# Altium PCB GN-1876-HI3519AV100_V1.PCBDOC (part 4 of 6)
Units mil, origin at the board's own origin, x right, y up, seen from the top; angles counter-clockwise.
Board outline 3755 x 2651.95 mil, 4 copper layers (Top Layer, Mid-Layer 1, Mid-Layer 2, Bottom Layer); 463 components, 378 nets, 2062 pads, 1225 vias.
Unrouted connection lines stored in the file: 13.
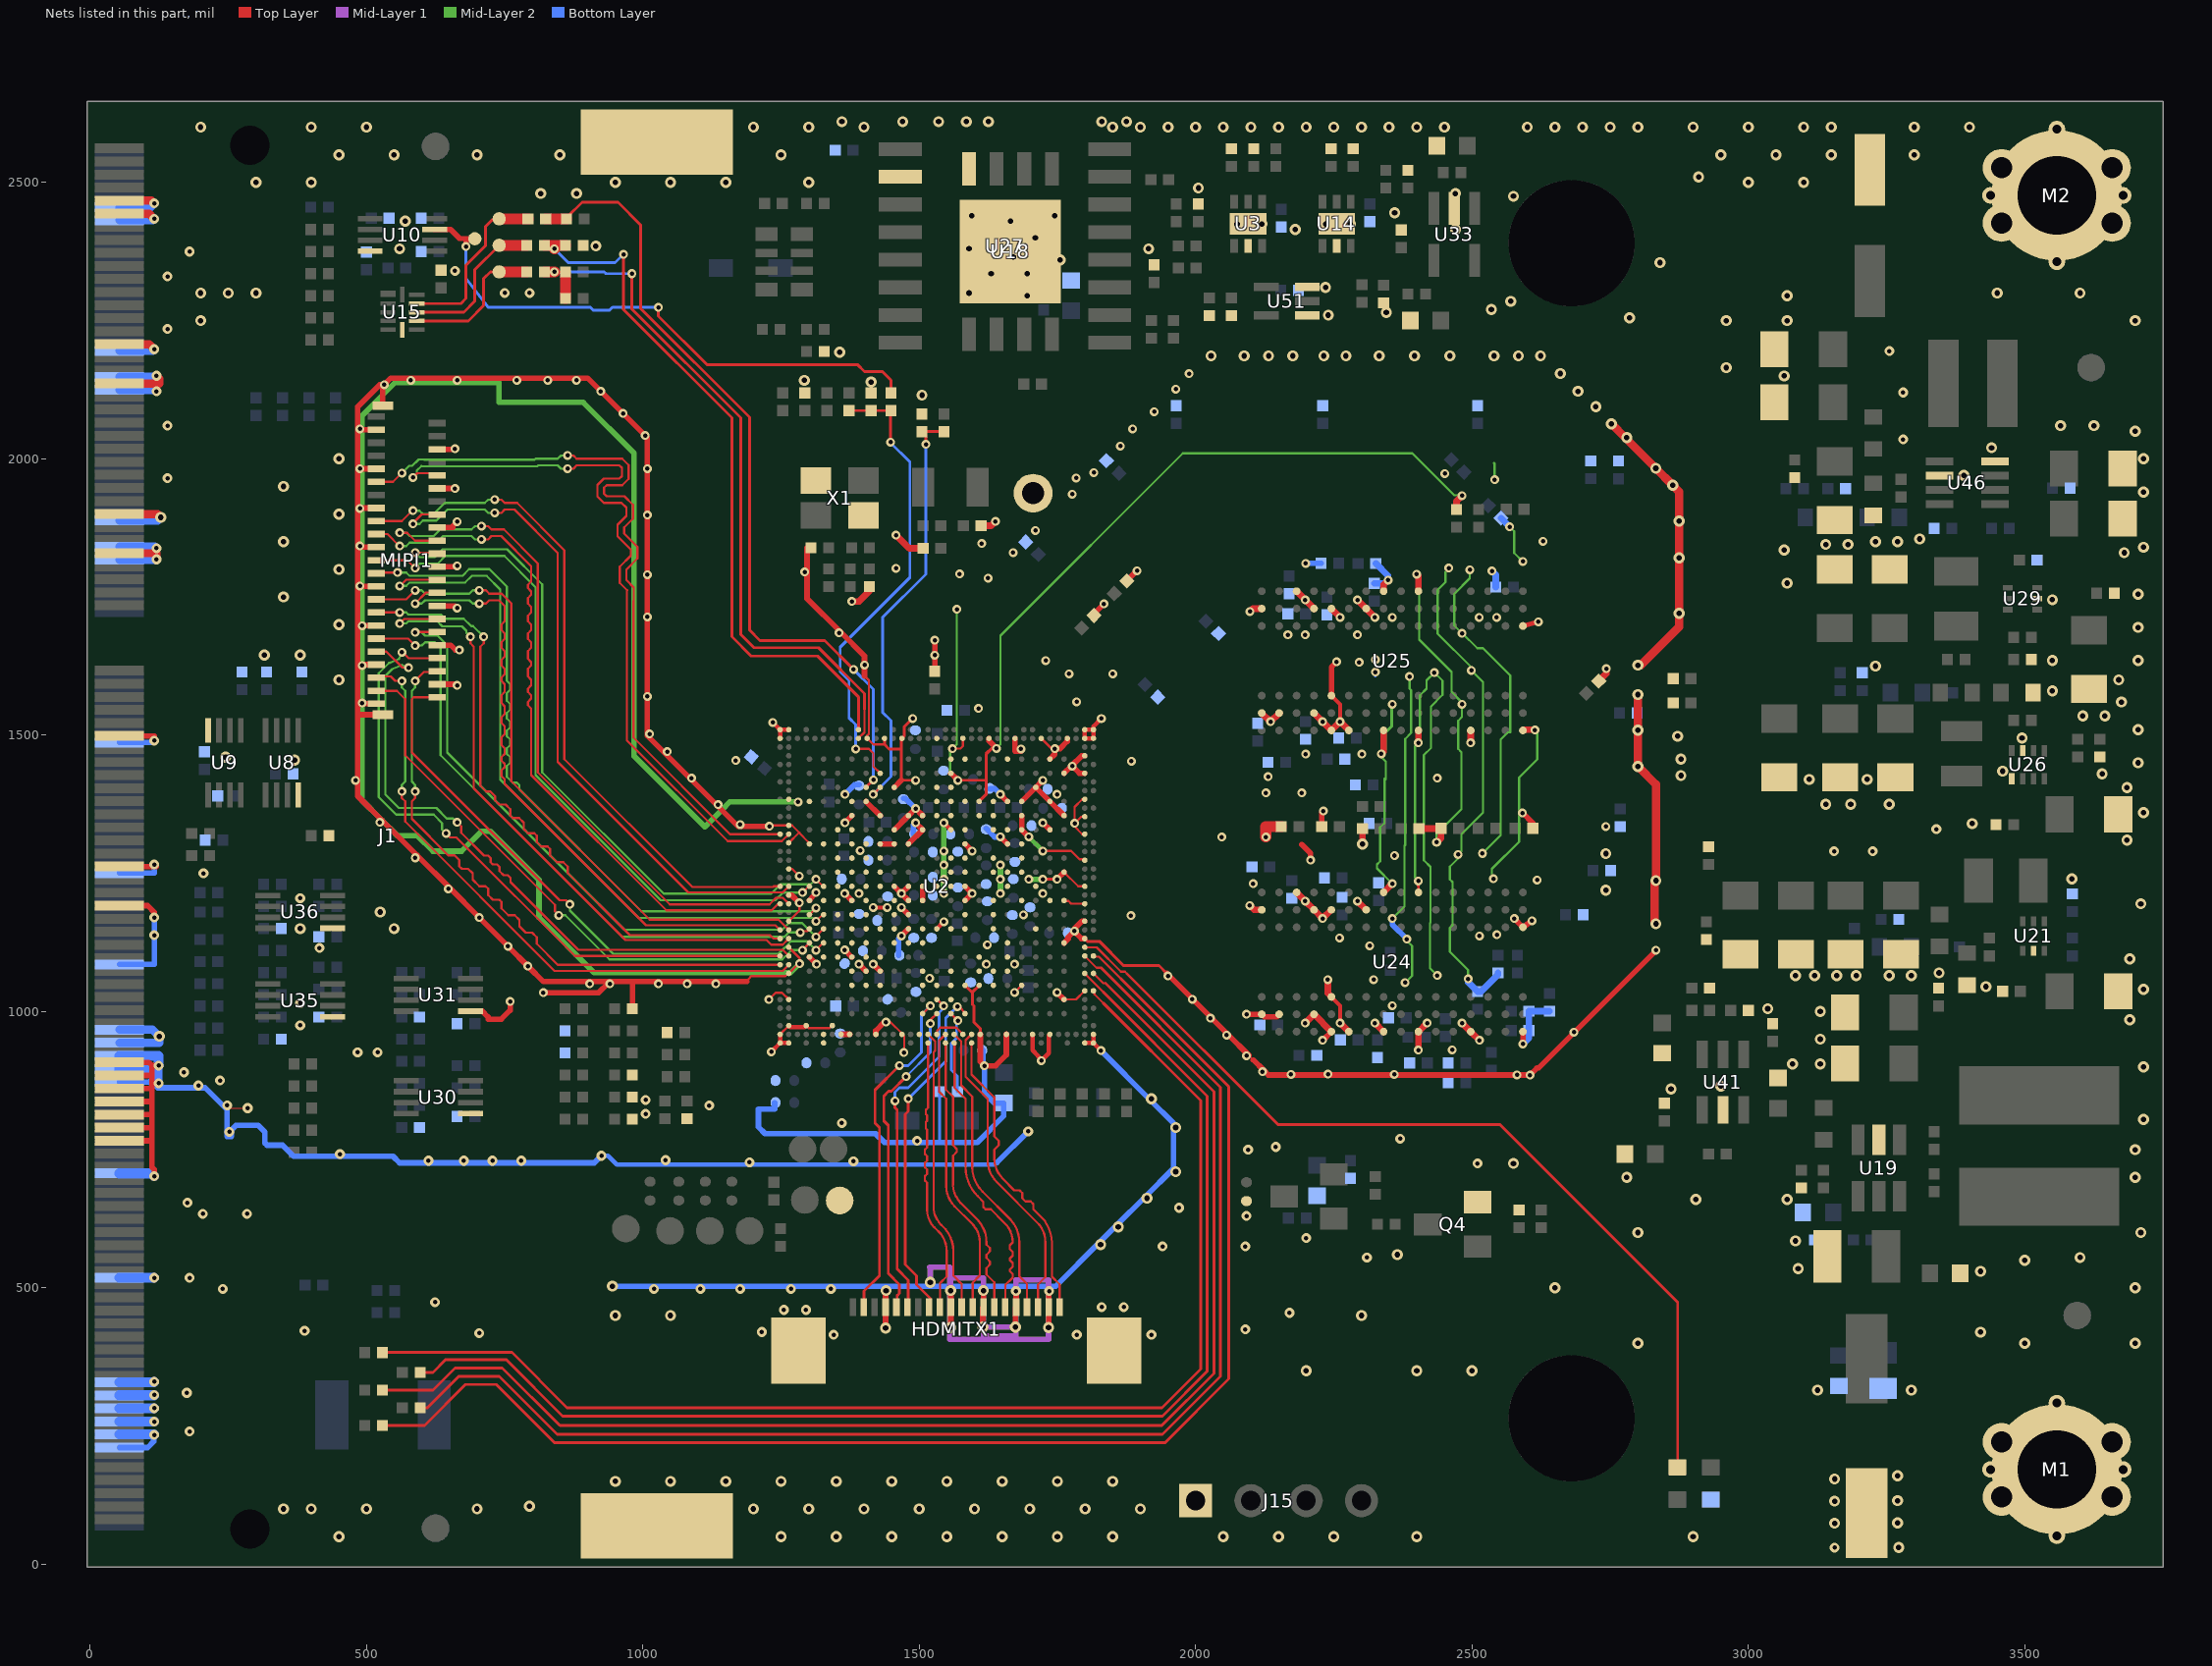
[diagram p6: the nets of this part, all layers, seen from the top]

## Via types
v1: diameter 16, hole 8, Top Layer to Bottom Layer, 733 vias
v2: diameter 20, hole 10, Top Layer to Bottom Layer, 362 vias
v3: diameter 18, hole 8, Top Layer to Bottom Layer, 100 vias
v4: diameter 36, hole 16, Top Layer to Bottom Layer, 30 vias

## Nets (pads, with @x,y where several pads share a name; then routed paths per layer and width w, separated by ;. In a path a pad name is that pad's centre, name@x,y a point inside that pad or via, vN(x,y) a via of type N, cw(c..) or ccw(c..) an arc to the next point about the centre after c; other vN are vias at no path point) (continued)
GND: C2.2 C3.2 C5.2 C6.2 C7.2 C8.2 C10.2 C13.2 C16.2 C17.2 C18.2 C20.2 C21.2 C22.2 C24.2 C27.2 C28.2 C34.2 C35.2 C36.2 C37.2 C38.2 C39.2 C40.2 C41.2 C42.2 C43.2 C44.2 C45.2 C46.2 C47.2 C48.2 C49.2 C50.2 C51.2 C52.2 C53.2 C54.2 C57.2 C58.2 C59.2 C60.2 C61.2 C63.2 C76.2 C77.2 C80.2 C113.2 C150.2 C151.2 C152.2 C153.2 C154.2 C155.2 C160.2 C173.2 C174.2 C175.2 C179.2 C180.2 C181.2 C182.2 C183.2 C184.2 C185.2 C186.2 C187.2 C188.2 C189.2 C190.2 C191.2 C192.2 C193.2 C196.2 C198.2 C199.2 C200.2 C201.2 C204.2 C205.2 C206.2 C207.2 C209.2 C210.2 C211.2 C212.2 C213.2 C214.2 C215.2 C216.2 C217.2 C218.2 C219.2 C223.2 C224.2 C225.2 C227.2 C228.2 C231.2 C232.2 C233.2 C234.2 C236.2 C238.2 C240.2 C243.2 C252.2 C254.2 C255.1 C258.2 C262.2 C270.2 C271.2 C272.2 C273.2 C274.2 C275.2 C276.2 C277.2 C278.2 C279.2 C280.2 C281.2 C282.2 C283.2 C284.2 C285.2 C286.2 C287.2 C288.2 C289.2 C290.2 C294.2 C304.2 C305.2 C306.2 C308.2 C309.2 C311.2 C312.2 C320.2 C323.2 C330.2 C332.2 C333.2 C334.2 C335.2 C339.2 C340.2 C341.2 C342.2 C343.2 C344.2 C347.2 C348.2 C349.2 C351.2 C352.2 C353.2 C354.2 C355.1 C356.1 C362.2 C363.2 C366.2 C387.2 C409.2 C414.2 C416.2 C421.2 C422.2 C424.2 C432.1 C433.1 C448.2 C480.2 DGND1.1 HDMITX1.4 HDMITX1.10 HDMITX1.13 HDMITX1.16 HDMITX1.19 HDMITX1.21 HDMITX1.22 J1.9 J1.10 J1.11 J1.12 J1.31 J1.32 J1.36 J1.37 J1.38 J1.57 J1.58 J1.62 J1.63 J1.64 J1.83 J1.84 J1.103 J1.104 J1.109 J1.118 J1.128 J1.130 J1.132 J1.133 J1.134 J1.135 J1.136 J1.137 J1.139 J1.141 J1.143 J1.145 J1.150 J1.166 J1.182 J1.184 J1.186 J1.188 J1.190 J1.192 J1.207 J1.208 J7.1 J15.1 M1.1 M1.2 M1.3 M1.4 M1.5 M1.6 M1.7 M1.8 M1.9 M2.1 M2.2 M2.3 M2.4 M2.5 M2.6 M2.7 M2.8 M2.9 MIPI1.1 MIPI1.4 MIPI1.7 MIPI1.10 MIPI1.13 MIPI1.16 MIPI1.19 MIPI1.22 MIPI1.25 MIPI1.28 MIPI1.31 MIPI1.34 MIPI1.37 MIPI1.40 MIPI1.43 MIPI1.46 MIPI1.47 Q4.2 R1.2 R6.2 R26.1 R85.2 R117.2 R119.2 R162.2 R164.2 R168.2 R169.2 R177.2 R179.2 R198.1 R201.1 R242.1 R244.2 R246.2 R249.2 R290.2 R293.2 R294.1 R295.1 R301.2 R346.2 R368.2 R369.1 R370.2 R385.2 R386.2 R387.2 R388.2 R389.2 R395.2 R397.2 R400.1 R401.1 R402.1 R403.1 R407.2 R408.2 R411.2 R412.2 R413.2 R414.2 R494.1 R495.2 R517.2 R547.2 U2.1A2 U2.1A5 U2.1A9 U2.1A11 U2.1A14 U2.1A18 U2.1B1 U2.1B4 U2.1B6 U2.1B11 U2.1C3 U2.1C10 U2.1C13 U2.1D4 U2.1D5 U2.1D6 U2.1D7 U2.1D8 U2.1D9 U2.1D11 U2.1D17 U2.1E1 U2.1E4 U2.1E6 U2.1E7 U2.1E9 U2.1E10 U2.1E14 U2.1E15 U2.1E16 U2.1F4 U2.1F5 U2.1F6 U2.1F8 U2.1F9 U2.1F11 U2.1F12 U2.1F13 U2.1F16 U2.1F17 U2.1G4 U2.1G5 U2.1G15 U2.1G16 U2.1G17 U2.1H1 U2.1H4 U2.1H6 U2.1H7 U2.1H8 U2.1H9 U2.1H10 U2.1H11 U2.1H12 U2.1H13 U2.1H17 U2.1J1 U2.1J2 U2.1J3 U2.1J4 U2.1J5 U2.1J6 U2.1J8 U2.1J9 U2.1J10 U2.1J13 U2.1J16 U2.1J17 U2.1J18 U2.1K3 U2.1K4 U2.1K5 U2.1K10 U2.1K13 U2.1K17 U2.1L5 U2.1L6 U2.1L10 U2.1L11 U2.1L13 U2.1L14 U2.1L16 U2.1L17 U2.1M5 U2.1M7 U2.1M10 U2.1M11 U2.1M12 U2.1M13 U2.1M14 U2.1N3 U2.1N6 U2.1N7 U2.1N10 U2.1N11 U2.1N12 U2.1N13 U2.1N14 U2.1P5 U2.1P7 U2.1P8 U2.1P9 U2.1P10 U2.1P13 U2.1P15 U2.1P16 U2.1P17 U2.1R4 U2.1R7 U2.1R8 U2.1R9 U2.1R10 U2.1R11 U2.1R12 U2.1R13 U2.1R14 U2.1R15 U2.1R16 U2.1R17 U2.1T4 U2.1T5 U2.1T6 U2.1T7 U2.1T8 U2.1T9 U2.1T10 U2.1T11 U2.1T12 U2.1T13 U2.1T14 U2.1T15 U2.1T16 U2.1T17 U2.1U6 U2.1U7 U2.1U8 U2.1U9 U2.1U10 U2.1U11 U2.1U12 U2.1U13 U2.1U14 U2.1U15 U2.1V7 U2.1V11 U2.1V15 U2.1W4 U2.1W7 U2.1W11 U2.1W15 U2.A1 U2.A2 U2.A36 U2.A37 U2.AA36 U2.AC2 U2.AC36 U2.AE2 U2.AF36 U2.AG2 U2.AJ36 U2.AK36 U2.AL35 U2.AM36 U2.AM37 U2.AP35 U2.AT1 U2.AT9 U2.AT12 U2.AT14 U2.AT17 U2.AT20 U2.AT23 U2.AT26 U2.AT29 U2.AT32 U2.AT35 U2.AT37 U2.AU1 U2.AU2 U2.AU36 U2.AU37 U2.B1 U2.B2 U2.B4 U2.B6 U2.B9 U2.B11 U2.B13 U2.B16 U2.B19 U2.B21 U2.B23 U2.B25 U2.B31 U2.B37 U2.D2 U2.F36 U2.G2 U2.H36 U2.K2 U2.L36 U2.N2 U2.P36 U2.T2 U2.T36 U2.W2 U2.W36 U3.5 U3.7 U8.4 U9.4 U10.4 U14.5 U14.7 U15.6 U18.4 U18.9 U19.2 U21.2 U24.A2 U24.A8 U24.B2 U24.C9 U24.D2 U24.D8 U24.E1 U24.E3 U24.E8 U24.F1 U24.G8 U24.H1 U24.H9 U24.K1 U24.K9 U24.N1 U24.T1 U24.T7 U25.A2 U25.A8 U25.B2 U25.C9 U25.D2 U25.D8 U25.E1 U25.E3 U25.E8 U25.F1 U25.G8 U25.H1 U25.H9 U25.K1 U25.K9 U25.N1 U25.T1 U25.T7 U26.3 U26.5 U27.10 U29.2 U30.1 U31.1 U33.2 U35.1 U36.1 U41.2 U46.4 U46.6 U51.1 U51.3 X1.2 X1.4 | length 29505.9
  Top Layer w2: v3(248,830.16) 253,825.16 v3(285,825.16) ; v1(648,1222.16) 650.16,1222.16 v1@651.08,1223.08 ; v1@703.08,1171.08 v1(704,1170.16) ; v1(792,1082.16) v1@793.08,1081.08 ; v1(2092,920.16) 2096.7,920.16 2104.41,912.45
  Top Layer w4: 1188,1054.16 1196,1064 1257.11,1064 U2.AT29@1263.97,1069.02 1281.69,1086.74 v1(1283.68,1086.74) 1283.68,1096.55 U2.AT26@1263.97,1116.26 ; v1(1228,1021.9) 1239.99,1033.89 1251.86,1033.89 U2.AT32@1263.97,1021.78 ; v1(1229,1335.16) 1230.58,1336.74 U2.AT12@1263.97,1336.74 1270,1336.74 1283.25,1323.49 1282.62,1323.49 ; U2.AU36@1248.23,958.78 U2.AT35@1263.97,974.53 ; U2.AT23@1263.97,1163.51 1263.97,1163.69 1283.1,1182.82 v1(1283.1,1196.7) ; U2.AT17@1263.97,1258 1270.11,1258 1282.62,1245.48 v1(1283,1245) ; U2.AT14@1263.97,1305.24 1282.22,1323.49 1282.62,1323.49 ; U2.AP35@1295.47,974.53 1300.2,969.8 1337.98,969.8 U2.AL35@1342.71,974.53 ; U2.1W7@1301.38,1303.27 1299.41,1305.24 1299.41,1306.69 1282.62,1323.49 ; 1401,1607.16 1409,1599.16 1409,1502.45 1405.71,1499.16 U2.AG2@1405.71,1494.22 1416.77,1483.16 1437.2,1483.16 ; v1(1439.76,980.83) 1448.07,980.83 1468.7,960.2 U2.AC36@1468.7,958.78 1472.67,954.81 1472.67,926.27 v1(1472,925.6) ; U2.W36@1531.69,958.78 1532.45,959.54 1532.45,965.16 1538,970.71 1567,970.71 U2.T36@1578.93,958.78 ; v1(1560.14,1475.66) 1574.59,1475.66 1578.93,1480 U2.T2@1578.93,1494.22 ; v1(1672.44,1034.57) U2.1D17@1685.23,1047.37 ; U2.G2@1720.67,1494.22 1739.23,1475.66 v1(1745.14,1475.66) ; v1(1723.62,1290.46) 1775,1290.46 1790,1275.46 1797.69,1275.46 U2.B16@1799.41,1273.74 ; U2.1A18@1762,1021.78 1783.67,1021.78 U2.B31@1799.41,1037.52 ; U2.1A11@1762,1200.91 1762.91,1200 1770,1200 1775,1195 U2.B21@1799.41,1195 ; U2.1A9@1762,1252.09 1787.59,1226.5 U2.B19@1799.41,1226.5 ; U2.B13@1799.41,1320.99 1795,1320.99 1781.1,1334.89 v1(1781.1,1340.7) ; U2.B11@1799.41,1352.48 1792.88,1352.48 v1(1781.1,1340.7) ; U2.B9@1799.41,1383.98 1795,1383.98 1781.1,1370.08 v1(1781.1,1340.7)
  Top Layer w5: 1467.71,1418.42 v1(1493.31,1418.42) ; v1(1570.07,1418.43) 1620.83,1418.43 1621.1,1418.7 ; v1(1723.61,1239.29) v1(1749.21,1239.3)
  Top Layer w5.1: U2.1T5@1378.15,1354.37 U2.1T5@1378.15,1354.45 ; U2.AE2@1437.2,1494.22 1437.2,1483.16 1445.2,1475.16 1467.71,1475.16 ; 1467.71,1418.42 1467.71,1475.16 ; v1(1488,1530.28) 1472.55,1514.83 1472.55,1498.07 U2.AC2@1468.7,1494.22 1468.35,1493.87 1468.35,1490.51 1467.71,1489.87 1467.71,1475.16 ; U2.1H17@1582.87,1047.37 1596,1034.24 ; U2.1G17@1608.46,1047.37 1596,1034.91 1596,1034.24 ; U2.P36@1610.43,958.78 1610.43,969.16 1599,980.59 1599,1010.16 1596,1013.16 1596,1034.24 ; U2.B25@1799.41,1132.01 1804.36,1127.06 1825.8,1127.06 1869.5,1083.36 1933.5,1083.36 v1@1947.7,1069.16 ; v1(2403,1236.16) U24.K9@2403.12,1215.5
  Top Layer w6: U2.1G4@1608.46,1380.04 1621.1,1392.68 1621.1,1418.7 1621.1,1466 1631.2,1476.1 v1(1639.7,1476.1)
  Top Layer w7: v1(1416.53,1188.12) v1(1442.13,1188.11) ; U24.E3@2245.64,1026.53 2261.4,1010.77 v1(2261.4,979.28) ; U25.E3@2245.64,1571.53 2261.38,1555.79 v1(2261.38,1524.28)
  Top Layer w8: v1(1232.4,927.21) U2.AU37@1248.23,943.04 ; v1(1235.17,1522.84) 1248.05,1509.96 U2.AU1@1248.23,1509.96 ; U2.AU36@1248.23,958.78 U2.AU37@1248.23,943.04 ; U2.AU2@1248.23,1494.22 U2.AU1@1248.23,1509.96 ; U2.AT37@1263.97,943.04 U2.AU37@1248.23,943.04 ; U2.AT35@1263.97,974.53 1266.72,971.78 1292.72,971.78 U2.AP35@1295.47,974.53 ; U2.AT1@1263.97,1509.96 U2.AU1@1248.23,1509.96 ; U2.1K13@1531.69,1149.73 v1(1544.49,1162.53) ; v1(1544.53,1341.61) U2.1J6@1557.28,1328.86 ; U2.H36@1704.92,958.78 1704.92,929.98 1721.83,911.98 1734.33,924.49 1734.33,956.7 U2.F36@1736.41,958.78 ; U2.B37@1799.41,943.04 U2.A37@1815.15,943.04 ; U2.A36@1815.15,958.78 U2.A37@1815.15,943.04 ; v1(1828.65,929.54) U2.A37@1815.15,943.04 ; v1(1829.42,1530.14) 1815.15,1515.87 U2.A1@1815.15,1509.96 ; U2.A1@1815.15,1509.96 U2.A2@1815.15,1494.22 U2.B2@1799.41,1494.22 U2.B1@1799.41,1509.96 U2.A1@1815.15,1509.96
  Top Layer w9: U25.T7@2592.1,1697.51 v1(2620,1705.16)
  Top Layer w10: J1.145@53,766.28 112,766.28 ; J1.143@53,789.9 112,789.9 ; J1.141@53,813.53 112,813.53 ; J1.139@53,837.15 112,837.15 ; J1.137@53,860.77 112,860.77 ; J1.135@53,884.39 112,884.39 ; J1.133@53,908.01 106.14,908.01 112,902.16 ; J1.109@53,1191.48 104,1191.48 116,1179.48 v3(116,1170.16) ; J1.103@53,1262.34 120,1262.34 v3(116,1266.16) ; J1.83@53,1498.57 116,1498.57 v3(116,1490.16) ; v3(116,702.16) 116,714.16 112,718.16 112,766.28 ; v3(124,902.16) 112,902.16 ; v1(488,1770.16) 488.84,1769.31 MIPI1.19@517.67,1769.31 ; v1(488,1842.16) 489.98,1840.18 MIPI1.25@517.67,1840.18 ; v1(488,1910.16) 488.89,1911.05 MIPI1.31@517.67,1911.05 ; v1(488,1982.16) 488.25,1981.91 MIPI1.37@517.67,1981.91 ; v1(492,1558.16) 493.44,1556.72 MIPI1.1@517.67,1556.72 ; v1(492,1626.16) 493.42,1627.58 MIPI1.7@517.67,1627.58 ; v1(492,1698.16) 492.29,1698.45 MIPI1.13@517.67,1698.45 ; MIPI1.43@517.67,2052.78 488,2052.78 v1@484,2052.78 ; MIPI1.46@529.48,1537.03 484,1537.03 ; MIPI1.47@529.48,2096.09 529.48,2131.64 v1(532,2134.16) ; MIPI1.4@627.91,1592.15 662.01,1592.15 v1(664,1590.16) ; MIPI1.10@627.91,1663.01 652,1663.01 660.86,1654.16 v1(668,1654.16) ; MIPI1.16@627.91,1733.88 660.28,1733.88 v1(664,1730.16) ; MIPI1.22@627.91,1804.75 662.59,1804.75 v1(664,1806.16) ; MIPI1.28@627.91,1875.61 656,1875.61 656,1878.16 v1(664,1886.16) ; MIPI1.34@627.91,1946.48 659.68,1946.48 v1(660,1946.16) ; MIPI1.40@627.91,2017.34 659.19,2017.34 v1(660,2018.16) ; U31.1@688.41,1000.63 709.53,1000.63 720,990.16 720,986.16 744,986.16 760,1002.16 v1(760,1018.16) ; v1(820,1034.16) 920,1034.16 938,1052.16 v1@940,1054.16 ; R413.2@981,1005.16 981,1054.16 ; 1188,1054.16 1132,1054.16 1080,1054.16 1028,1054.16 981,1054.16 ; v1(1229,1335.16) 1176,1335.16 1172,1335.16 1134.5,1372.66 1086.5,1420.66 1040.5,1466.66 1008.5,1498.66 1008,1499.16 1008,1502.16 v1(1008,1570.16) v1(1008,1714.16) v1(1008,1790.16) v1(1008,1898.16) v1(1008,1982.16) 1008,2038.16 v1(1004,2042.16) v1(964,2082.16) v1(924,2122.16) 900,2146.16 880,2146.16 828,2146.16 772,2146.16 664,2146.16 580,2146.16 544,2146.16 v1(532,2134.16) ; U2.AT20@1263.97,1210.75 1269.05,1210.75 v1(1283.1,1196.7) ; U2.1W15@1301.38,1098.55 v1(1314.17,1085.76) ; U2.1W11@1301.38,1200.91 v1(1313,1215.16) ; C355.1@1304,1838.9 1297,1838.9 1297,1795.16 1297,1747.16 1357.08,1687.08 1401,1643.16 v1(1401,1627.16) 1401,1607.16 ; U2.AK36@1358.46,958.78 U2.AJ36@1374.21,958.78 ; v1(1365.36,1111.34) U2.1T15@1378.15,1098.55 ; v1(1365.36,1213.7) U2.1T11@1378.15,1200.91 ; v1(1365.4,1341.62) U2.1T5@1378.15,1354.37 ; v1(1390.95,1085.75) U2.1R16@1403.74,1072.96 ; U2.1R4@1403.74,1380.04 U2.1P5@1429.33,1354.45 ; v1(1416.54,1085.75) U2.1P16@1429.33,1072.96 ; U2.AF36@1421.45,958.78 1421.45,965.36 1436.92,980.83 v1(1439.76,980.83) ; U2.1P7@1429.33,1303.27 U2.1N7@1454.92,1303.27 ; v2(1439,427.16) 1439,465.16 1439,494.16 v2(1440,495.16) ; U2.1N10@1454.92,1226.5 v1(1467.71,1213.7) ; U2.1N6@1454.92,1328.86 U2.1M5@1480.51,1354.45 v1(1493.31,1367.24) U2.1L5@1506.1,1354.45 ; U2.1N3@1454.92,1405.63 1467.71,1418.42 ; v1(1467.72,1136.94) U2.1M13@1480.51,1149.73 ; v1(1467.71,1188.11) U2.1M12@1480.51,1175.32 ; U2.1M11@1480.51,1200.91 v1(1467.71,1213.7) ; U2.1M10@1480.51,1226.5 v1(1467.71,1213.7) ; U2.1M7@1480.51,1303.27 U2.1L6@1506.1,1328.86 v1(1493.31,1341.65) ; U2.1L11@1506.1,1200.91 U2.1L10@1506.1,1226.5 ; v1(1528,1671.9) 1528.1,1671.8 v1(1528.1,1644.7) R293.2@1528.1,1615.7 ; v2(1557,428.16) 1557.17,428.32 HDMITX1.10@1557.17,465.16 1557.17,494.99 v2(1557,495.16) ; U2.1J2@1557.28,1431.22 v1(1570.07,1418.43) ; U2.1H11@1582.87,1200.91 v1(1595.67,1213.71) U2.1H10@1582.87,1226.5 ; U2.1H7@1582.87,1303.27 v1(1595.61,1290.53) ; U2.P36@1610.43,958.78 1610.43,909.47 v1(1618,901.9) 1638,901.9 1657.67,921.57 U2.L36@1657.67,958.78 ; v2(1615,429.16) 1615,463.94 HDMITX1.13@1616.22,465.16 1616.22,494.94 v2(1616,495.16) ; U2.N2@1626.18,1494.22 1626.18,1489.62 v1(1639.7,1476.1) ; v1(1646.9,1316.01) U2.1E7@1659.64,1303.27 ; v1(1646.89,1392.79) U2.1E4@1659.64,1380.04 ; U2.K2@1673.42,1494.22 1673.42,1471.24 1684.92,1471.24 1684.92,1474.08 1685,1474.16 v1(1684,1475.16) ; v2(1674,429.16) 1674,463.88 HDMITX1.16@1675.28,465.16 1675.28,493.88 v3(1675,494.16) ; U2.1D5@1685.23,1354.45 U2.1D6@1685.23,1328.86 v1(1698.06,1316.03) ; U2.1D4@1685.23,1380.04 U2.1C3@1710.82,1405.63 ; v1(1723.62,1341.65) U2.1B6@1736.41,1328.86 ; v1(1723.61,1418.42) U2.1C3@1710.82,1405.63 ; v2(1734,428.16) 1734.33,428.49 HDMITX1.19@1734.33,465.16 1734.33,493.49 v3(1735,494.16) ; U2.1B1@1736.41,1456.81 1745.14,1465.54 v1(1745.14,1475.66) 1754.75,1475.66 1767.91,1488.82 U2.D2@1767.91,1494.22 ; v1(1749.21,1034.57) U2.1A18@1762,1021.78 ; v1(1749.21,1239.3) U2.1A9@1762,1252.09 ; U2.1A14@1762,1124.14 1769.51,1131.65 1769.51,1134.61 v1(1780.6,1145.7) ; U2.1A5@1762,1354.45 U2.1B4@1736.41,1380.04 U2.1C3@1710.82,1405.63 ; U2.1A2@1762,1431.22 1774.62,1443.84 v1(1777.02,1443.84) ; U2.B25@1799.41,1132.01 1793.29,1132.01 1780.6,1144.7 v1(1780.6,1145.7) ; U2.B23@1799.41,1163.51 1794.35,1163.51 1780.6,1149.76 v1(1780.6,1145.7) ; U2.B6@1799.41,1431.22 1789.64,1431.22 v1(1777.02,1443.84) ; U2.B4@1799.41,1462.72 1793.82,1462.72 1777.02,1445.92 v1(1777.02,1443.84) ; C225.2@1816.31,1716.47 1815.4,1717.38 1815.4,1718.97 v1(1834.09,1737.66) ; C113.2@1875.4,1778.97 v1(1894.09,1797.66) ; v1@1947.7,1069.16 1951.35,1065.51 1994.35,1022.51 2027.85,989.01 2057.85,959.01 v1@2096.7,920.16 ; v1(2092.1,995.03) U24.A2@2119.66,995.03 2123.99,990.7 2146.83,990.7 U24.B2@2151.16,995.03 ; 2104.41,912.45 2123.35,893.51 2131.7,885.16 2172.5,885.16 2239.7,885.16 2359.3,885.16 2581.3,885.16 v1(2604.8,885.16) 2617.53,897.89 2620.53,897.89 2684.24,961.6 v1(2684.24,962.6) 2685.24,962.6 2832.7,1110.06 v1(2832.7,1111.06) ; 2192,1302.16 2208,1286.16 v1(2208,1273.9) ; R294.1@2228.1,1334.7 2228.1,1359.7 v1(2231.1,1362.7) ; v1(2229.9,947.8) U24.E1@2245.64,963.54 ; U25.E3@2245.64,1571.53 2245.64,1623.24 v1(2255.1,1632.7) ; v1(2576.34,1168.25) U24.T7@2592.1,1152.51 v1(2608.5,1164.16) ; v1(2591,1359.16) 2592,1359.16 2610.1,1341.06 C305.2@2610.1,1331.28 ; v1(2592.1,941.28) U24.T1@2592.1,963.54 ; 112,766.28 112,789.9 ; 112,789.9 112,813.53 ; 112,813.53 112,837.15 ; 112,837.15 112,860.77 ; 112,860.77 112,870.16 112,884.39 ; 112,884.39 112,902.16 ; 484,1537.03 484,1418.16 484,1390.16 528,1346.16 592,1282.16 651.08,1223.08 703.08,1171.08 v1(756,1118.16) 793.08,1081.08 820,1054.16 904,1054.16 v1@940,1054.16 ; 484,1537.03 484,1842.16 484,1910.16 484,1982.16 v1@484,2052.78 ; v1@484,2052.78 484,2054.16 484,2094.16 524,2134.16 v1(532,2134.16) ; v1@940,1054.16 981,1054.16 ; v1(1721,911.16) 1721.83,911.98 1722.6,911.16 v1(1721,911.16)
  Top Layer w12: v1(1378,1741.9) 1391.14,1741.9 1410,1760.76 C356.1@1410,1768.9 ; v1(1458,1861.9) 1482,1837.9 C432.1@1507,1837.9 ; C433.1@1612,1878.9 1630,1878.9 v1(1638,1886.9) ; v1(2098,1191.9) 2105.89,1184.01 U24.A8@2119.66,1184.01 ; v1(2098.27,1723.87) 2103.41,1729.01 U25.A8@2119.66,1729.01 ; U25.A2@2119.66,1540.03 v1(2135.42,1524.29) U25.B2@2151.16,1540.03 ; U24.C9@2182.65,1215.5 v1(2198.39,1199.76) 2214.14,1184.01 v1(2229.89,1168.26) U24.E8@2245.64,1184.01 ; U25.C9@2182.66,1760.5 v1(2198.41,1744.75) U25.D8@2214.15,1729.01 ; v1(2198.41,979.29) U24.D2@2214.15,995.03 U24.E1@2245.64,963.54 ; U25.D2@2214.15,1540.03 v1(2229.89,1524.29) U25.E1@2245.64,1508.54 v1(2261.38,1524.28) U25.F1@2277.14,1508.54 ; v1(2239.1,1057.7) 2239.1,1033.07 U24.E3@2245.64,1026.53 ; U25.E8@2245.64,1729.01 v1(2261.38,1713.27) ; v1(2261.4,979.28) U24.F1@2277.14,963.54 ; v1(2292.9,1199.75) U24.G8@2308.64,1184.01 ; v1(2292.9,1744.75) U25.G8@2308.64,1729.01 v1(2324.38,1713.26) ; v2(2302,1302.9) R397.2@2302,1330.88 ; v1(2324.39,979.28) U24.H1@2340.13,963.54 ; v1(2336,1466.16) 2340.13,1470.29 U25.H1@2340.13,1508.54 ; U24.H9@2340.13,1215.5 v1(2355.87,1231.24) ; U25.H9@2340.13,1760.5 2340.13,1772.73 v1(2348.1,1780.7) ; v1(2400,1791.16) 2403.12,1788.04 U25.K9@2403.12,1760.5 ; v1(2403.12,930.28) U24.K1@2403.12,963.54 v1(2418.87,979.29) ; v1(2403.12,1486.28) U25.K1@2403.12,1508.54 ; C270.2@2404,1330.88 2443.7,1330.88 R400.1@2444.1,1331.28 2444.1,1314.26 v1(2436,1306.16) ; R402.1@2472.1,1908.28 2472.1,1923.26 v1(2482,1933.16) ; v1(2481.87,979.29) U24.N1@2497.61,963.54 v1(2513.35,947.8) ; v1(2497.61,1486.28) U25.N1@2497.61,1508.54 ; U25.T1@2592.1,1508.54 2593.72,1510.16 2613,1510.16 v1(2614,1509.16) ; R403.1@2729.49,1598.09 2743.1,1611.7 v1(2743.1,1620.16)
  Top Layer w15: J1.63@53,1829.27 120,1829.27 v3(120,1818.16) ; J1.57@53,1900.14 122.02,1900.14 v2(128,1894.16) ; J1.37@53,2136.36 125,2136.36 125,2145.16 v3(120,2150.16) ; J1.31@53,2207.23 106.93,2207.23 v3(116,2198.16) ; J1.11@53,2443.45 106.71,2443.45 v3(116,2434.16) ; J1.9@53,2467.07 111.09,2467.07 v3(116,2462.16) ; v2(2752.2,2063.36) 2778.7,2036.86 2814.82,2000.74 2814.82,2000.54 v2(2832.5,1982.86) v2(2863.15,1952.21) 2874.79,1940.57 v2(2874.79,1887.6) 2874.79,1862.6 2874.64,1862.45 v2(2874.64,1821) v2(2874.64,1720.6) 2874.64,1695.8 2805.44,1626.6 v2(2800.2,1626.6) ; v2(2800.2,1573.46) v2(2800.2,1509.16) v2(2800.2,1443.54) 2832.7,1411.04 v2(2832.7,1236.76) 2830,1234.06 2830,1161.46 v2(2832.7,1158.76)
  Top Layer w20: v1(2127.1,1315.7) 2127.1,1334.7 R168.2@2155,1334.7
  Mid-Layer 1 w10: v2(1520,510.16) 1520,536.16 1519,537.16 1555,537.16 1555,407.16 1734,407.16 v2(1734,428.16) 1734,514.16 1675,514.16 1675,413.16 1616,413.16 v2@1616,429.16 ; v2(1557,495.16) 1557,518.16 1616,518.16 v2(1616,495.16) v2@1616,430.16 ; v2(1674,429.16) v2@1616,429.16 ; v2@1616,429.16 v2(1615,429.16) v2@1616,430.16 ; v2@1616,429.16 v2@1616,430.16
  Mid-Layer 2 w4: v1(1568,1727.96) 1568,1483.52 v1(1560.14,1475.66) 1556,1471.52 1556,1432.5 v1(1570.07,1418.43) ; v1(1639.7,1476.1) 1647,1483.4 1647,1680.16 1977,2010.16 2392,2010.16 2468,1934.16 2481,1934.16 v1(2482,1933.16) ; v1(2336,1466.16) 2336,1460 2344,1452 2344,1423.06 ; 2344,1420 2344,1423.06 ; v1(2355.87,1231.24) 2328,1259.11 2328,1266 2334,1272 2334,1333 2342,1341 2342,1421.06 2344,1423.06 ; v1(2355.89,1168.27) 2378,1190.38 2378,1300.16 2379,1301.16 2379,1493.28 2389.91,1504.19 2389.91,1581.25 2386.98,1584.18 v1(2386.98,1606.05) ; v1(2379,1052.16) 2391.45,1064.61 2391.45,1118.71 2382,1128.16 v1(2382,1131.16) ; v1(2400,1791.16) 2404.5,1786.66 2404.5,1672.74 2463,1614.24 2463,1578.16 2481.87,1559.29 v1(2481.87,1555.78) 2481.87,1533.03 2475,1526.16 2475,1475.16 2481,1469.16 2481,1366.16 2436,1321.16 v1(2436,1306.16) ; v1(2403,1236.16) 2397,1242.16 2397,1480.16 v1(2403.12,1486.28) 2405.91,1489.07 2405.91,1572.06 2418,1584.15 2418,1599.16 v1(2432,1613.16) 2446.62,1598.54 2446.62,1572.78 2426,1552.16 2426,1477.16 2413,1464.16 2413,1273.8 2425,1261.8 2425,1161.26 2423.97,1160.23 2423.97,1078.19 v1(2437,1065.16) ; v1(2458,1802.16) 2458,1801.16 2452,1795.16 2452,1776.74 2438,1762.74 2438,1683.66 2499,1622.66 v1(2499,1617.16) 2520,1596.16 2520,1359.82 2481,1320.82 2481,1290.16 v1(2475,1284.16) 2475,1277.16 2459.87,1262.03 2459.87,1239.16 2465,1234.03 2465,1156.16 2459.87,1151.03 2459.87,1108.29 2493,1075.16 v1(2493,1059.16) ; v1(2496,1799.16) 2496,1783.84 2467.86,1755.7 2467.86,1698.3 v1(2482,1684.16) 2482.68,1684.16 2509.68,1657.16 2520,1657.16 2569,1608.16 2569,1505.16 2565,1505.16 2552,1492.16 2552,1319.16 v1(2519,1286.16) ; v1(2539,1240.16) 2536,1243.16 2536,1258.16 2585,1307.16 2585,1423.16 2618,1456.16 2618,1505.16 v1(2614,1509.16) ; 2540,1992.16 2541,1991.16 v1(2541,1962.16) ; v1(2568,1877.16) 2576.5,1868.66 2576.5,1829.66 v1(2592,1814.16)
  Mid-Layer 2 w5.1: v1(2336,1466.16) 2343.36,1473.52 2343.36,1504.52 2355,1516.16 2355,1554.88 v1(2355.89,1555.77)
  Mid-Layer 2 w8: v1(1698.06,1316.03) v1(1723.62,1290.46)
  Mid-Layer 2 w10: v1(1281,1379.16) 1157,1379.16 1144,1366.16 1112,1334.16 984,1462.16 984,2010.16 892,2102.16 740,2102.16 740,2138.16 664,2138.16 580,2138.16 552,2138.16 492,2078.16 492,2054.16 492,1982.16 492,1910.16 492,1842.16 492,1418.16 492,1382.16 528,1346.16 556,1318.16 592,1318.16 620,1290.16 672,1290.16 708,1326.16 724,1326.16 812,1238.16 812,1170.16 912,1070.16 1267.1,1070.16 v1(1283.68,1086.74) ; v1(1544.53,1264.85) v1(1544.5,1290.5) v1(1544.53,1341.61) ; v1(1646.9,1213.76) v1(1646.9,1213.76) v1(1646.9,1239.31) ; v1(1646.9,1239.31) v1(1646.9,1239.31) ; v1(1646.9,1264.9) v1(1646.9,1264.9) v1(1646.9,1239.31) ; v1(1698.03,1239.29) v1(1723.61,1239.29)